# Altium PCB ESP-12F_WLED_IOT_LIPO_PCB_Version_2.PcbDoc (part 1 of 2) (continued)
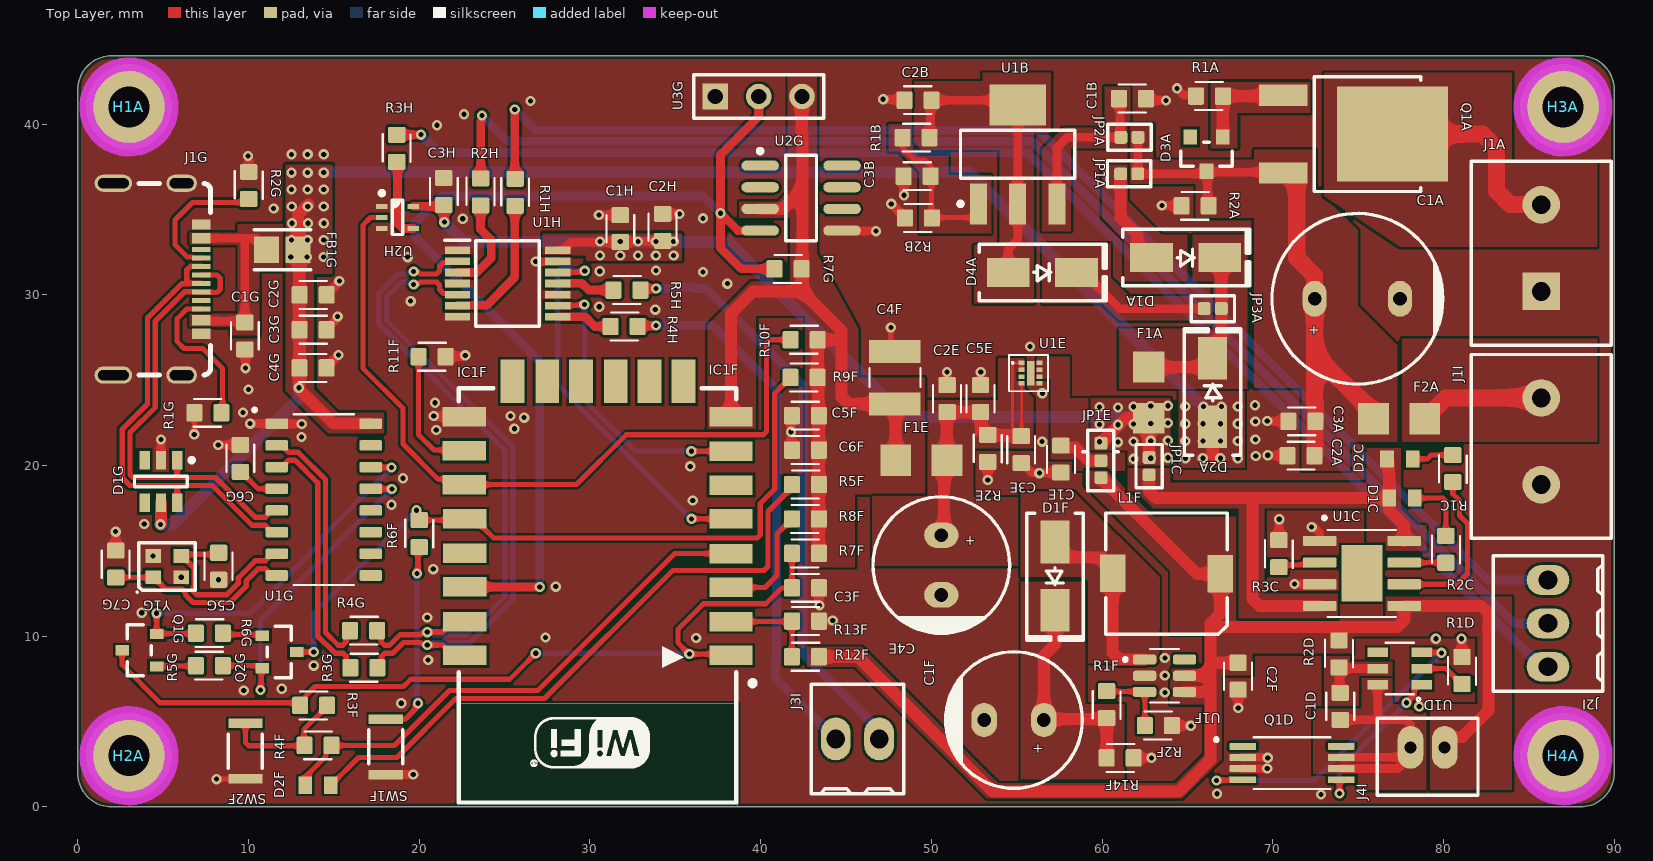
[diagram p0: Top Layer view]
## Footprints (in the part's own frame and the unit in brackets; to place one, negate y for a bottom-side part, rotate by r counter-clockwise, add the part's x,y. Pads: shape width x height; smd on the part's side, far side on the other; paste and mask are expansions set on the pad) (continued)
  oval 2.2x0.6 smd: 1(-2.4,1.905) 2(-2.4,0.635) 3(-2.4,-0.635) 4(-2.4,-1.905) 5(2.4,-1.905) 6(2.4,-0.635) 7(2.4,0.635) 8(2.4,1.905)
  silkscreen extent -2.52,-2.5 0.9,2.88, body extent -2,-2.5 2,2.5, height 1.75
MP04A_N [mm] "SOT223, 4-Leads, Body 6.5x3.5mm, Pitch 2.3mm, Lead Span 7mm, IPC Medium Density"
  rect 2.4x1 smd: 1(-2.9,2.3) 2(-2.9,0) 3(-2.9,-2.3)
  rect 2.4x3.3 smd: 4(2.9,0)
  silkscreen extent -3.02,-3.35 1.4,3.47, body extent -1.86,-3.35 1.86,3.35, height 1.8
MT3608-SOT23 [mm]
  rrect50% 1.37x0.59 smd: 1(-1.17,0.95) 2(-1.17,0) 3(-1.17,-0.95) 4(1.17,-0.95) 5(1.17,0) 6(1.17,0.95)
  silkscreen extent -2.4,-1.57 0.85,1.57
NCP186AMX330TAG [mm]
  rect 0.26x0.35 smd: 1(-0.6,-0.275) 2(-0.2,-0.275) 3(0.2,-0.275) 4(0.6,-0.275) 5(0.6,0.775) 6(0.2,0.775) 7(-0.2,0.775) 8(-0.6,0.775)
  rect 1.44x0.44 smd: 9(0,0.25)
  silkscreen extent -1.07,-1.02 1.07,1.27
"ON SEMI SC70-5  419AC-01" [mm] "SC70, 5-Leads, Body 2.03x2.10mm, Pitch 0.65mm, IPC Medium Density"
  rect 0.66x0.3 smd: 1(-0.92,0.65) 2(-0.92,0) 3(-0.92,-0.65) 4(0.92,-0.65) 5(0.92,0.65)
  silkscreen extent -1.04,-1 0.3,1.55, body extent -1.06,-1 1.06,1, height 1.1
"PANASONIC EVPAW" [mm]
  rect 0.55x2 smd: 1(-1.625,0) 2(1.625,0)
  silkscreen extent -1,-1 1,1, body extent -1.75,-1 1.75,1, height 0.58
R-0603 [mm]
  rrect20% 0.94x1.02 smd mask+0.05: 1(-0.79,0) 2(0.79,0)
  silkscreen extent -0.8,-0.82 0.83,0.82, body extent -0.8,-0.4 0.8,0.4, height 0.23
SMTC-SOT23-6_V [mm] "SOT23, 6-Leads, Body 3.15x1.7mm, Pitch 0.95mm"
  rect 1.1x0.6 smd: 1(-1.25,0.95) 2(-1.25,0) 3(-1.25,-0.95) 4(1.25,-0.95) 5(1.25,0) 6(1.25,0.95)
  silkscreen extent -1.37,-1.55 0.3,1.93, body extent -0.87,-1.55 0.87,1.55, height 1.45
SOIC127P600X180-16N [mm]
  rrect25% 1.31x0.62 smd: 1(-2.75,4.445) 2(-2.75,3.175) 3(-2.75,1.905) 4(-2.75,0.635) 5(-2.75,-0.635) 6(-2.75,-1.905) 7(-2.75,-3.175) 8(-2.75,-4.445) 9(2.75,-4.445) 10(2.75,-3.175) 11(2.75,-1.905) 12(2.75,-0.635) 13(2.75,0.635) 14(2.75,1.905) 15(2.75,3.175) 16(2.75,4.445)
  silkscreen extent -4.15,-5 1.78,5.35
Solder_Pad_2_Pin_NC_Medium [mm]
  rrect35% 0.75x0.75 smd mask+0: 1(-0.5,0) 2(0.5,0)
  silkscreen extent -1.27,-0.76 1.27,0.76
Solder_Pad_3_Pin_NC_Medium [mm]
  rrect35% 0.75x0.75 smd mask+0: 1(-1,0) 2(0,0) 3(1.024,0)
  silkscreen extent -1.77,-1.02 1.79,1.06
SOP65P640X110-14N [mm]
  rect 1.475x0.45 smd: 1(-2.938,1.95) 2(-2.938,1.3) 3(-2.938,0.65) 4(-2.938,0) 5(-2.938,-0.65) 6(-2.938,-1.3) 7(-2.938,-1.95) 8(2.938,-1.95) 9(2.938,-1.3) 10(2.938,-0.65) 11(2.938,0) 12(2.938,0.65) 13(2.938,1.3) 14(2.938,1.95)
  silkscreen extent -3.67,-2.5 1.85,2.52
SOT23-6 [mm]
  rect 0.55x1.2 smd: 1(-0.95,-1.3) 2(0,-1.3) 3(0.95,-1.3) 4(0.95,1.3) 5(0,1.3) 6(-0.95,1.3)
  silkscreen extent -1.9,-1.2 1.52,0.81
"TDK SLF7032" [mm] "Power Inductor, 2-Leads, TDK, SLF7032T-221MR29-2PF"
  rect 1.5x2.2 smd: 1(-3.15,0.013) 2(3.15,-0.012)
  silkscreen extent -3.56,-3.55 3.56,3.55, body extent -3.56,-3.56 3.56,3.54, height 3.39
"TE 282834-2" [mm]
  oval 1.75x2.5 hole 1.1: 1(-1.27,0) 2(1.27,0)
  silkscreen extent -2.7,-3.2 2.7,3.2, body extent -2.77,-3.25 2.77,3.25, height 10
"TE 282834-3" [mm]
  oval 1.75x2.5 hole 1.1: 1(-2.54,0) 2(0,0) 3(2.54,0)
  silkscreen extent -3.97,-3.2 3.97,3.2, body extent -4.04,-3.25 4.04,3.25, height 10
"TE 282837-2"#1 [mm] "Wire to Board Terminal Block Horizontal with Board, 2 Postions, Body 10.76x8.2 mm, Pitch 5.08mm"
  round 2.2 hole 1.1: 1(-2.54,0)
  rect 2.2x2.2 hole 1.1: 2(2.54,0)
  silkscreen extent -5.08,-4.1 5.68,4.1, body extent -5.08,-4.1 5.68,4.1, height 10.3
"TE 282837-2"#2 [mm] "Wire to Board Terminal Block Horizontal with Board, 2 Postions, Body 10.76x8.2 mm, Pitch 5.08mm"
  round 2.2 hole 1.1: 1(-2.54,0) 2(2.54,0)
  silkscreen extent -5.08,-4.1 5.68,4.1, body extent -5.08,-4.1 5.68,4.1, height 10.3
TP4056 [mm] "Complete single cell Li-Ion battery with a constant current / constant voltage linear charger"
  rrect25% 1.97x0.6 smd: 1(-2.475,1.905) 2(-2.475,0.635) 3(-2.475,-0.635) 4(-2.475,-1.905) 5(2.475,-1.905) 6(2.475,-0.635) 7(2.475,0.635) 8(2.475,1.905)
  rect 2.413x3.302 smd paste-3: 9(0,0)
  silkscreen extent -2.29,-2.55 2,3.35
USB4510-03-1-A [mm]
  rect 0.6x1.1 smd: A1B12(-3.2,3.15) A4B9(-2.4,3.15) B1A12(3.2,3.15) B4A9(2.4,3.15)
  rect 0.3x1.1 smd: A5(-1.25,3.15) A6(-0.25,3.15) A7(0.25,3.15) A8(1.25,3.15) B5(1.75,3.15) B6(0.75,3.15) B7(-0.75,3.15) B8(-1.75,3.15)
  oval 1x1.8 hole 0.6 slot 1.4 at 90 deg: SH(-5.62,2) SH(5.62,2)
  oval 1x2.2 hole 0.6 slot 1.8 at 90 deg: SH(-5.62,-2) SH(5.62,-2)
  silkscreen extent -5.6,-0.5 5.6,3.7, body extent -5.77,-4.1 5.77,3.1, height 1.57

## Part data
C1A: library part EEU-FK1C102, "AL LYTIC, RADIAL, 16VDC, 1000UF", Capacitance=1000µF, Device Package="Radial, Can", Lifetime @ Temp.="4000 Hrs @ 105°C", manufacturer="Panasonic Electronic Components", Operating Temperature="-55°C ~ 105°C", Ratings=AEC-Q200, Ripple Current @ High Frequency="1.24A @ 100kHz", Ripple Current @ Low Frequency="930mA @ 120Hz", Supplier Part Number 1=P124274-ND, Tolerance=±20%, Voltage - Rated=16V, Applications=Automotive, componentlink1description=Datasheet, componentlink1url=https://industrial.panasonic.com/cdbs/www-data/pdf/RDF0000/ABA0000C1015.pdf, componentlink2description="DigiKey Link", componentlink2url=http://digikey.com/product-detail/en/panasonic-electronic-components/EEU-FK1C102/P124274-ND/9921223, Height - Seated (Max)="0.689\" (17.50mm)", Impedance="49 mOhms", lastupdated="02-09-2020 01:31:24 AM", Lead Spacing="0.197\" (5.00mm)", Lifecycle Status=Active, Minimum Order=1, Mounting Type="Through Hole", Package / Case="Radial, Can", packaging=Bulk, Part Number=EEU-FK1C102, Part Status=Active, partid=11906, Polarization=Polar, price=0.83, series=FK, Size / Dimension="0.394\" Dia (10.00mm)", Supplier 1=DigiKey
C1B C1D C1E C1G C1H C2A C2B C2E C2F C2G C2H C3A C3B C3E C3F C3G C3H C4G C5E C5F C5G C6F C6G C7G: library part C-0603, "Ceramic Capacitor 16V 0603 (1608 Metric)", Package="0603 KEMET", Availability=Warning, Check_prices=https://www.snapeda.com/parts/C0603C104J4RAC/KEMET/view-part/1763758/?ref=eda, MF=KEMET, MP=C0603C104J4RAC, price=None, SnapEDA_Link=https://www.snapeda.com/parts/C0603C104J4RAC/KEMET/view-part/1763758/?ref=snap
C1F C4E: library part ECA-0JHG102, "CAP ALUM 1000UF 20% 6.3V RADIAL", Capacitance="1000 µF", Device Package="Radial, Can", Lifetime @ Temp.="1000 Hrs @ 105°C", manufacturer="Panasonic Electronic Components", Operating Temperature="-55°C ~ 105°C", Ripple Current @ High Frequency="437 mA @ 100 kHz", Ripple Current @ Low Frequency="380 mA @ 120 Hz", Supplier Part Number 1=P5509-ND, Tolerance=±20%, Voltage - Rated="6.3 V", Applications="General Purpose", componentlink1description=Datasheet, componentlink1url=https://industrial.panasonic.com/cdbs/www-data/pdf/RDF0000/ABA0000C75.pdf, componentlink2description="DigiKey Link", componentlink2url=https://www.digikey.com/en/products/detail/panasonic-electronic-components/ECA-0JHG102/245108, Height - Seated (Max)="0.492\" (12.50mm)", lastupdated="27-12-2022 10:20:14 PM", Lead Spacing="0.138\" (3.50mm)", Lifecycle Status=Active, Minimum Order=1, Mounting Type="Through Hole", Package / Case="Radial, Can", packaging=Bulk, Part Number=ECA-0JHG102, Part Status=Active, partid=7190, Polarization=Polar, price=0.15, series=NHG-A, Size / Dimension="0.315\" Dia (8.00mm)", Supplier 1=DigiKey
C4F: library part "C-1411 (3528 Metric)", "Molded Tantalum Capacitors 16V 1411 (3528 Metric)", Package="1411 KEMET", Availability=Unavailable, MF=KEMET, MP=T495B106K025ATE750, price=None, SnapEDA_Link=https://www.snapeda.com/parts/T495B106K025ATE750/KEMET/view-part/1680496/?ref=snap
D1A D1F D2A D4A: "DIODE SCHOTTKY 40V 3A DO214AC", Capacitance @ Vr, F="450pF @ 4V, 1MHz", Current - Average Rectified (Io)=3A, Current - Reverse Leakage @ Vr="500 µA @ 40 V", manufacturer="Comchip Technology", Operating Temperature - Junction="-55°C ~ 125°C", Package / Case="DO-214AC, SMA", Supplier Device Package="DO-214AC (SMA)", Supplier Part Number 1=641-2115-1-ND, Voltage - DC Reverse (Vr) (Max)="40 V", Voltage - Forward (Vf) (Max) @ If="550 mV @ 3 A", componentlink1description=Datasheet, componentlink1url=http://www.comchiptech.com/admin/files/product/20190514101641.pdf, componentlink2description="DigiKey Link", componentlink2url=https://www.digikey.com/en/products/detail/comchip-technology/SS34-HF/10279693, Diode Type=Schottky, Lifecycle Status=Active, Minimum Order=1, Mounting Type="Surface Mount", packaging=TapeAndReel, Part Number=SS34-HF, Part Status=Active, partid=2138, price=0.07, series=-, Speed="Fast Recovery =< 500ns, > 200mA (Io)", Supplier 1=DigiKey
  D1A D2A D4A: lastupdated="30-12-2022 08:53:12 PM"
  D1F: lastupdated="01-01-2023 08:55:34 PM"
D1C: library part LED_0603_RED, "LED 0603 RED SMD"
D1G: library part CMP-2000-05358-1, "RailClamp(R) Low Capacitance TVS Diode Array, 5 pF, 17.5 VC, -55 to 125 degC, 6-Pin SOT23, RoHS, Tape and Reel", Capacitance Value=5pF, Clamping Voltage=17.5V, Clamping Voltage (Max)=12.5V, Leakage Current=5uA, manufacturer=Semtech, Operating Temp Range=-55Cto125C, Operating Temperature Classification=Military, Operating Temperature Max Deg. C=125C, Operating Temperature Min Deg. C=-55C, Package / Case=SOT-23, Package Description="6-Pin Small Outline Transistor, Body 2.9 x 1.6 mm, Pitch 0.95 mm", Package Reference=SOT23-6, Peak Pulse Current=12A, Peak Pulse Power Dissipation=300W, Reverse Breakdown Voltage=6V, Reverse Stand-off Voltage=5V, Test Current (It)=1mA, Configuration=Quad, Datasheet URL=https://datasheet.ciiva.com/8029/srv05-4-8029973.pdf, Datasheet Version=Jan-08, Direction Type=Uni-Directional, Leakage Current (Max)=5uA, Manufacturer URL=http://www.semtech.com/, Mounting=SurfaceMount, Mounting Style=SurfaceMount, Number of Elements=1, packaging=TapeandReel, Pin Count=6, Polarity=Uni-Directional, Product Depth (mm)=1.6mm, Product Height (mm)=1.15mm, Product Length (mm)=2.9mm, Rad Hardened=No, Suppressor Type=DiodeArrays, Working Voltage=5V, Working Voltage (Max)=5V
D2C: library part LED_0603_GREEN, "LED 0603 GREEN SMD"
D2F: library part LED_0603_BLUE, "LED 0603 BLUE SMD"
D3A: library part CMP-12792-000017-1, "DIODE ZENER 12V 300MW SOT23-3", manufacturer="Diodes Inc.", Max Junction Temp=+150°C, Max Reverse Leakage Current=0.1uA, Max Zener Voltage=12.7V, Nom Zener Voltage=12V, Package=SOT23, Power Dissipation=300mW, Reverse Voltage=8V, Temperature="-65°C to +150°C", Temperature Range Low=-65°C, Automotive=No, Category=Diode, componentlink2description=Datasheet, componentlink2url=https://www.diodes.com/assets/Datasheets/ds18001.pdf, Device Class L1="Discrete Semiconductors", Device Class L2=Diodes, Device Class L3="Zener Diodes", Digikey Description="DIODE ZENER 12V 300MW SOT23-3", Footprint Url=https://www.diodes.com/assets/Package-Files/SOT23.pdf, Height=1.1mm, Ipc Land Pattern Name=SOT92P240X102-3, Lead Free=Yes, Manufacturer Part Number=BZX84C12-7-F, Mouser Description="Zener Diodes 12V 350mW", Octopart=https://octopart.com/bzx84c12-7-f-diodes+inc.-327696, RoHS=TRUE, Standoff Height=0.013mm, Temperature Range High=+150°C, Zener Impedance=25Ω
F1A F1E F2A: library part FUSE_PPTC_1206, "Fuse PPTC SMD 1206"
FB1G: library part CMP-0686-00646-3, "BLM21BB121SN1D", Case Code (Imperial)=0805, Case Code (Metric)=2012, Current Rating=600mA, DC Resistance (DCR)=190mR, DC Resistance-Max=250mR, Frequency=100MHz, Max DC Current=200mA, Max Operating Temperature=125°C, Min Operating Temperature=-55°C, Package Quantity=1, Tolerance=25%, Case/Package=0805, Contact Plating=Tin, Core Material=Ferrite, Depth=1.45mm, Height=0.85mm, Impedance=120R, Lead Free="Lead Free", Length=2mm, Material=Ferrite, Max Current Rating=600mA, Number of Circuits=1, Number of Lines=1, Number of Pins=2, packaging="Tape and Reel", REACH SVHC="No SVHC", RoHS Compliant=Yes, series=BLM21B, Shielding=Unshielded, Termination=SMD/SMT, Test Frequency=100MHz, Weight=0.000194oz, Width=1.25mm
H1A H2A H3A H4A: library part MOUNT-PAD-ROUND2.4, Package=2,8-PAD, DeviceName=2.8, DeviceSetName=MOUNT-PAD-ROUND, GateName_1=G$1, LibraryName=Holes-Custom, POPULARITY=6, SymbolName_1=MOUNT-PAD
J1A J1I: "TERM BLK 2P SIDE ENT 5.08MM PCB", Color=Green, Current="13.5 A", manufacturer="TE Connectivity AMP Connectors", Supplier Part Number 1=A113320-ND, Voltage="300 V", componentlink1description=Datasheet, componentlink1url=https://www.te.com/commerce/DocumentDelivery/DDEController?Action=srchrtrv&DocNm=282837&DocType=Customer+Drawing&DocLang=English, componentlink2description="DigiKey Link", componentlink2url=https://www.digikey.com/en/products/detail/te-connectivity-amp-connectors/282837-2/2187973, Features="Interlocking (Side)", lastupdated="21-06-2022 03:00:23 PM", Lifecycle Status=Active, Mating Orientation="Horizontal with Board", Minimum Order=1, Mounting Type="Through Hole", Number of Levels=1, packaging=Tray, Part Number=282837-2, Part Status=Active, Pitch="0.200\" (5.08mm)", Positions Per Level=2, price=0.31, series=Buchanan, Supplier 1=DigiKey, Wire Gauge="16-28 AWG", Wire Termination="Screw - Rising Cage Clamp"
J1G: "USB Connector Type C SMT Mid-Mount 16 Pin", manufacturer=GCT, Manufacturer Part Number=USB4510-03-1-A
J2I: "TERM BLK 3P SIDE ENT 2.54MM PCB", Color=Green, Current=10A, manufacturer="TE Connectivity AMP Connectors", Supplier Part Number 1=A98334-ND, Voltage=150V, componentlink1description=Datasheet, componentlink1url=https://www.te.com/commerce/DocumentDelivery/DDEController?Action=srchrtrv&DocNm=282834&DocType=Customer+Drawing&DocLang=English, componentlink2description="DigiKey Link", componentlink2url=http://digikey.com/product-detail/en/te-connectivity-amp-connectors/282834-3/A98334-ND/1153264, lastupdated="15-01-2020 04:15:50 AM", Lifecycle Status=Active, Mating Orientation="Horizontal with Board", Minimum Order=1, Mounting Type="Through Hole", Number of Levels=1, packaging=Bulk, Part Number=282834-3, Part Status=Active, Pitch="0.100\" (2.54mm)", Positions Per Level=3, price=2.01, series=Buchanan, Supplier 1=DigiKey, Wire Gauge="16-30 AWG", Wire Termination="Screw - Rising Cage Clamp"
J3I: "TERM BLK 2P SIDE ENT 2.54MM PCB", Color=Green, Current=10A, manufacturer="TE Connectivity AMP Connectors", Supplier Part Number 1=A98333-ND, Voltage=150V, componentlink1description=Datasheet, componentlink1url=https://www.te.com/commerce/DocumentDelivery/DDEController?Action=srchrtrv&DocNm=282834&DocType=Customer+Drawing&DocLang=English, componentlink2description="DigiKey Link", componentlink2url=http://digikey.com/product-detail/en/te-connectivity-amp-connectors/282834-2/A98333-ND/1150135, lastupdated="15-01-2020 04:15:38 AM", Lifecycle Status=Active, Mating Orientation="Horizontal with Board", Minimum Order=1, Mounting Type="Through Hole", Number of Levels=1, packaging=Bulk, Part Number=282834-2, Part Status=Active, Pitch="0.100\" (2.54mm)", Positions Per Level=2, price=0.88, series=Buchanan, Supplier 1=DigiKey, Wire Gauge="16-30 AWG", Wire Termination="Screw - Rising Cage Clamp"
J4I: "CONN HEADER VERT 2POS 2MM", Current Rating (Amps)=2A, Insulation Color=Natural, manufacturer="JST Sales America Inc.", Material Flammability Rating="UL94 V-0", Operating Temperature="-25°C ~ 85°C", Supplier Part Number 1=455-1704-ND, Voltage Rating=100V, componentlink1description=Datasheet, componentlink1url=http://www.jst-mfg.com/product/pdf/eng/ePH.pdf, componentlink2description="DigiKey Link", componentlink2url=http://digikey.com/product-detail/en/jst-sales-america-inc/B2B-PH-K-S-LF-SN/455-1704-ND/926611, Connector Type=Header, Contact Finish - Mating=Tin, Contact Finish - Post=Tin, Contact Length - Mating="0.130\" (3.30mm)", Contact Length - Post="0.134\" (3.40mm)", Contact Material=Brass, Contact Shape=Square, Contact Type="Male Pin", Fastening Type="Detent Lock", Insulation Height="0.236\" (6.00mm)", Insulation Material="Polyamide (PA66), Nylon 6/6", lastupdated="03-01-2020 11:40:58 PM", Lifecycle Status=Active, Minimum Order=1, Mounting Type="Through Hole", Number of Positions=2, Number of Positions Loaded=All, Number of Rows=1, Overall Contact Length="0.333\" (8.45mm)", packaging=Bulk, Part Number=B2B-PH-K-S(LF)(SN), Part Status=Active, partid=11, Pitch - Mating="0.079\" (2.00mm)", price=0.17, series=PH, Shrouding="Shrouded - 4 Wall", Style="Board to Cable/Wire", Supplier 1=DigiKey, Termination="Press-Fit, Solder"
JP1A JP1C JP2A JP3A: library part Solder_Pad_2_Pin_NC_Medium, "Solder Pad 2 Pin NC 1.016 mm Pitch"
JP1E: library part Solder_Pad_3_Pin_NC_Medium, "Solder Pad 3 Pin NC 1.016 mm Pitch"
L1F: library part SLF7032T-220MR96-2PF, "FIXED IND 22UH 960MA 132 MOHM", Current Rating (Amps)=960mA, DC Resistance (DCR)="132mOhm Max", Device Package=Nonstandard, Inductance Frequency - Test=100kHz, manufacturer="TDK Corporation", Operating Temperature="-40°C ~ 105°C", Supplier Part Number 1=445-2003-1-ND, Tolerance=±20%, componentlink1description=Datasheet, componentlink1url=//media.digikey.com/pdf/Data%20Sheets/TDK%20PDFs/SLF7032_Type.pdf, componentlink2description="DigiKey Link", componentlink2url=http://digikey.com/product-detail/en/tdk-corporation/SLF7032T-220MR96-2PF/445-2003-1-ND/755410, Height - Seated (Max)="0.134\" (3.40mm)", Inductance=22µH, lastupdated="02-09-2020 01:30:24", Lifecycle Status=Active, Material - Core=Ferrite, Minimum Order=1, Mounting Type="Surface Mount", Package / Case=Nonstandard, packaging=TapeAndReel, Part Number=SLF7032T-220MR96-2PF, Part Status=Active, partid=3680, price=0.43, series=SLF, Shielding=Shielded, Size / Dimension="0.276\" L x 0.276\" W (7.00mm x 7.00mm)", Supplier 1=DigiKey, Type=Wirewound
Q1A: library part CMP-07173-000090-1, "MOSFET P-CH 35V 13A DPAK", Continuous Drain Current=-13A, Drain To Source Breakdown Voltage=-35V, Drain To Source Resistance=9.7mΩ, Gate To Source Voltage=25V, Input Capacitace At Vds="2370pF @ -20V", manufacturer="ON Semiconductor", Max Forward Diode Voltage=-1.2V, Max Junction Temp=+150°C, Package=369AS, Power Dissipation=1.3W, Pulse Drain Current=-100A, Temperature="-55°C to +150°C", Temperature Range Low=-55°C, Typ Forward Diode Voltage=-0.8V, Automotive=No, Category=Trans, componentlink2description=Datasheet, componentlink2url=https://www.onsemi.com/pub/Collateral/FDD6637-D.pdf, Depletion Mode=False, Device Class L1="Discrete Semiconductors", Device Class L2=Transistors, Device Class L3=MOSFETs, Digikey Description="MOSFET P-CH 35V 13A DPAK", Drain To Source Voltage=-35V, Footprint Url=https://www.onsemi.com/pub/Collateral/369AS.PDF, Gate Charge At Vgs="45nC @ -10V", Height=2.517mm, Lead Free=Yes, Manufacturer Part Number=FDD6637, Mouser Description="MOSFET 35V PCH PowerTrench MOSFET", Number Of Channels=1, Number Of P Channels=1, Octopart=https://octopart.com/fdd6637-on+semiconductor-84325825, Reverse Recovery Charge=15nC, Reverse Recovery Time=28ns, RoHS=TRUE, Rthja Max=96°C/W, Temperature Range High=+150°C, Threshold Vgs Max=-3V, Threshold Vgs Min=-1V, Transconductance=35S, Turn Off Delay Time=62ns, Turn On Delay Time=18ns
Q1D: library part FS8205A_2.0, "Dual N-Channel Mosfet, Eq 8205A CEG8205A FS8205A STN8205A", Package=None, Availability=Unavailable, MP=FS8205A, price=None
Q1G Q2G: library part CMP-20235-000001-1, "NPN TRANSISTOR 1.5A 40V SOT-23 R", Case/Package=TO-236-3, Collector Emitter Breakdown Voltage=25V, Collector Emitter Voltage (VCEO)=400mV, Max Collector Current=1.5A, Max Power Dissipation=300mW, Transition Frequency=100MHz, Max Breakdown Voltage=25V, Mount="Surface Mount", packaging="Tape and Reel", RoHS Compliant=Yes
R1A R1B R1C R1D R1F R1G R1H R2A R2B R2C R2D R2E R2F R2G R2H R3C R3F R3G R3H R4F R4G R4H R5F R5G R5H R6F R6G R7F R7G R8F R9F R10F R11F R12F R13F R14F: library part R-0603, "0603", Power_Rating=".1 W", Resistance=10K, Tolerance=1%, Availability=Warning, Check_prices=https://www.snapeda.com/parts/2-1623703-0/TE%20Connectivity/view-part/2213192/?ref=eda, MF="TE Connectivity", MP=2-1623703-0, Package=0603, price=None, SnapEDA_Link=https://www.snapeda.com/parts/2-1623703-0/TE%20Connectivity/view-part/2213192/?ref=snap
SW1F SW2F: "3.0MM X 2.0MM / 3.3N / 0.15MM ST", Contact Rating @ Voltage="0.02A @ 15VDC", manufacturer="Panasonic Electronic Components", Operating Force=330gf, Operating Temperature="-40°C ~ 85°C", Supplier Part Number 1=P123440CT-ND, Actuator Height off PCB, Vertical=0.60mm, Actuator Orientation="Top Actuated", Actuator Type=Standard, Circuit=SPST-NO, componentlink1description=Datasheet, componentlink1url=https://industrial.panasonic.com/ac/cdn/e/control/switch/light-touch/catalog/sw_lt_eng_3020s.pdf, componentlink2description="DigiKey Link", componentlink2url=https://www.digikey.com/en/products/detail/panasonic-electronic-components/EVP-AWED4A/8568275, Illumination=Non-Illuminated, Ingress Protection="IP67 - Dust Tight, Waterproof", lastupdated="29-12-2022 09:10:40 PM", Lifecycle Status=Active, Minimum Order=1, Mounting Type="Surface Mount", Outline="3.00mm x 2.00mm", packaging=TapeAndReel, Part Number=EVP-AWED4A, Part Status=Active, price=0.16, series=EVPAW, Supplier 1=DigiKey, Switch Function=Off-Mom, Termination Style="SMD (SMT) Tab"
U1B: library part CMP-0062-01645-3, "800mA Low-Dropout Linear Regulator, 4-pin SOT-223", manufacturer="National Semiconductor", PackageTopMarking=XYTT*N03A, PartNumber=LM1117MP-ADJ, PowerWise=N, Code_IPC=SOT223-4, Code_JEDEC=TO-261-AA, componentlink1description="Manufacturer URL", componentlink1url=http://www.national.com/, componentlink2description="LM1117 Datasheet", componentlink2url=http://www.national.com/ds/LM/LM1117.pdf, ComponentLink3Description="LM1117 Web Page", ComponentLink3URL=http://www.national.com/pf/LM/LM1117.html, ComponentLink4Description="MP04A Package Page", ComponentLink4URL=http://www.national.com/packaging/folders/mp04a.html, CompType="LDO IC", DatasheetVersion=Apr-2006, High-Reliability=Y, PackageDescription="Molded SOT-223, 6.50 x 3.56 x 1.6mm Body, 4 Lead, 2.3mm Pitch", PackageReference=MP04A, PackageVersion="revB, Apr-2003", PinCount=4, RevisionNote="SCH symbol layout adjusted", RoHS=N
U1C: "Complete single cell Li-Ion battery with a constant current / constant voltage linear charger", Package=None, Availability=Unavailable, MP=TP4056, price=None
U1D: "Pushbutton Switch SPST-NC Standard Panel Mount, Front", Package="Package Analog Devices", Availability=Unavailable, MF="Fortune Semiconductor", MP=DW01A, price=None, SnapEDA_Link=https://www.snapeda.com/parts/DW01A/Fortune%20Semiconductor/view-part/4388554/?ref=snap
U1E: "LDO Voltage Regulators FAST TRANSIENT RESPO", Manufacturer_Name=onsemi, Mouser Part Number=863-NCP186BMX330TAG, Datasheet Link=http://www.onsemi.com/pub/Collateral/NCP186-D.PDF, Manufacturer_Part_Number=NCP186BMX330TAG, Mouser Price/Stock=https://www.mouser.co.uk/ProductDetail/onsemi/NCP186BMX330TAG?qs=tCMd4XlZ%2FiDuLBXmI4EY0w%3D%3D
U1F: "High Efficiency 1.2MHz 2A Step Up Converter", Package=None, Availability=Unavailable, MP=MT3608, price=None
U1G: Package=None, Availability=Unavailable, MP=CH340G, price=None
U1H: "Buffer, Non-Inverting 4 Element 1 Bit per Element 3-State Output 14-SOIC", Package="SOIC-14 STMicroelectronics", Availability=Unavailable, MF="Nexperia USA", MP=74HC125, price=None, SnapEDA_Link=https://www.snapeda.com/parts/74HC125/Nexperia%20USA%20Inc./view-part/560724/?ref=snap
U2G: library part CMP-0253-00023-2, "High-Precision 1-Wire Digital Thermometer, -55 to 125 degC, 8-Pin SOIC (S8-2)", Generic Part Number=DS18B20, Temp. Thresh.="Programmable (NV)", Code_JEDEC=MS012, componentlink1description="Manufacturer URL", componentlink1url=http://www.maximintegrated.com/, componentlink2description=Datasheet, componentlink2url=http://datasheets.maximintegrated.com/en/ds/DS18B20.pdf, ComponentLink3Description="Package Specification", ComponentLink3URL=http://pdfserv.maximintegrated.com/package_dwgs/21-0041.PDF, DatasheetVersion="Rev. 4", Interface=1-Wire, Mounting Technology="Surface Mount", Multi Droppable=Yes, PackageDescription="8-Pin Small-Outline IC, Narrow (0.15in) (S8-2), Body 4.90 x 3.90 mm, Pitch 1.27 mm", PackageReference=S8-2, PackageVersion="Rev. D, 10/2012", Parasite Pwr.=Yes, PartNumber=DS18B20Z, Sensor Type=Local
U2H: "IC BUF NON-INVERT 5.5V SC70-5", Current - Output High, Low="32mA, 32mA", Device Package="5-TSSOP, SC-70-5, SOT-353", manufacturer="ON Semiconductor", Operating Temperature="-40°C ~ 85°C (TA)", Supplier Device Package=SC-70-5, Supplier Part Number 1=NC7SZ125P5XTR-ND, Voltage - Supply="1.65V ~ 5.5V", componentlink1description=Datasheet, componentlink1url=https://www.onsemi.com/pub/Collateral/NC7SZ125-D.PDF, componentlink2description="DigiKey Link", componentlink2url=//digikey.com/product-detail/en/on-semiconductor/NC7SZ125P5X/NC7SZ125P5XTR-ND/673366, lastupdated="09-12-2019 01:20:32 AM", Lifecycle Status=0, Logic Type="Buffer, Non-Inverting", Minimum Order=1, Mounting Type="Surface Mount", Number of Bits per Element=1, Number of Elements=1, Output Type=3-State, Package / Case="5-TSSOP, SC-70-5, SOT-353", packaging=TapeAndReel, Part Number=NC7SZ125P5X, Part Status=Active, partid=2, price=0.07, series=7SZ, Supplier 1=DigiKey
U3G: "Header, 3-Pin", LatestRevisionDate=17-Jul-2002, LatestRevisionNote="Re-released for DXP Platform.", Publisher="Altium Limited"
Y1G: library part ABM10-167-12.000MHZ-T3, "CRYSTAL 12.00MHZ 8PF LOW ESR SMD", Device Package="4-SMD, No Lead", ESR (Equivalent Series Resistance)="125 Ohms", Frequency Stability=±30ppm, Frequency Tolerance=±10ppm, Load Capacitance=8pF, manufacturer="Abracon LLC", Operating Mode=Fundamental, Operating Temperature="-40°C ~ 85°C", Supplier Part Number 1=535-13521-1-ND, componentlink1description=Datasheet, componentlink1url=https://abracon.com/Resonators/ABM10-167-12.000MHz.pdf, componentlink2description="DigiKey Link", componentlink2url=http://digikey.com/product-detail/en/abracon-llc/ABM10-167-12.000MHZ-T3/535-13521-1-ND/6140274, Frequency=12MHz, Height - Seated (Max)="0.028\" (0.70mm)", lastupdated="19-03-2020 10:27:46 PM", Lifecycle Status=Active, Minimum Order=1, Mounting Type="Surface Mount", Package / Case="4-SMD, No Lead", packaging=TapeAndReel, Part Number=ABM10-167-12.000MHZ-T3, Part Status=Active, partid=284, price=0.28, series=ABM10, Size / Dimension="0.098\" L x 0.079\" W (2.50mm x 2.00mm)", Supplier 1=DigiKey, Type="MHz Crystal"

## Via types
v1: diameter 0.6, hole 0.3, Top Layer to Bottom Layer, tented both sides, 196 vias

## Nets (pads, with @x,y where several pads share a name; then routed paths per layer and width w, separated by ;. In a path a pad name is that pad's centre, name@x,y a point inside that pad or via, vN(x,y) a via of type N, cw(c..) or ccw(c..) an arc to the next point about the centre after c; other vN are vias at no path point)
+3V3: C4F.1 C5F.2 C6F.2 F1E.2 IC1F.8 R5F.2 R7F.1 R7G.1 R8F.1 R9F.1 R10F.1 U2G.3 U3G.3 | length 53.5
  Top Layer w0.7: IC1F.8@38.268,22.842 38.268,28.907 39.545,30.185 42.452,30.185 ; U2G.3@39.971,35.027 41.277,35.027 42.452,36.202 ; U3G.3@42.426,41.612 42.401,41.587 42.401,39.513 42.452,39.462 42.452,36.202 ; R7F.1@43.41,14.848 R8F.1@43.41,16.866 R5F.2@43.41,18.884 C6F.2@43.41,20.902 C5F.2@43.41,22.92 43.372,22.957 43.372,25.118 R9F.1@43.335,25.155 R10F.1@43.335,27.362 44.697,27.362 44.735,27.4 ; F1E.2@47.529,20.695 F1E.2@47.911,20.313 47.911,23.561 C4F.1@47.868,23.604 45.145,23.604 44.735,24.014 44.735,27.4 ; 42.452,30.185 44.735,27.902 44.735,27.4 ; 42.452,30.185 42.452,31.456 R7G.1@42.394,31.513 42.452,31.571 42.452,36.202
ADC: IC1F.2 R12F.1 R13F.1 | length 5.7
  Top Layer w0.3: IC1F.2@38.268,10.853 41.795,10.853 R13F.1@41.83,10.888 R12F.1@41.83,8.795